# Altium PCB HardwareControllerPCB.PcbDoc (part 1 of 2) (continued)
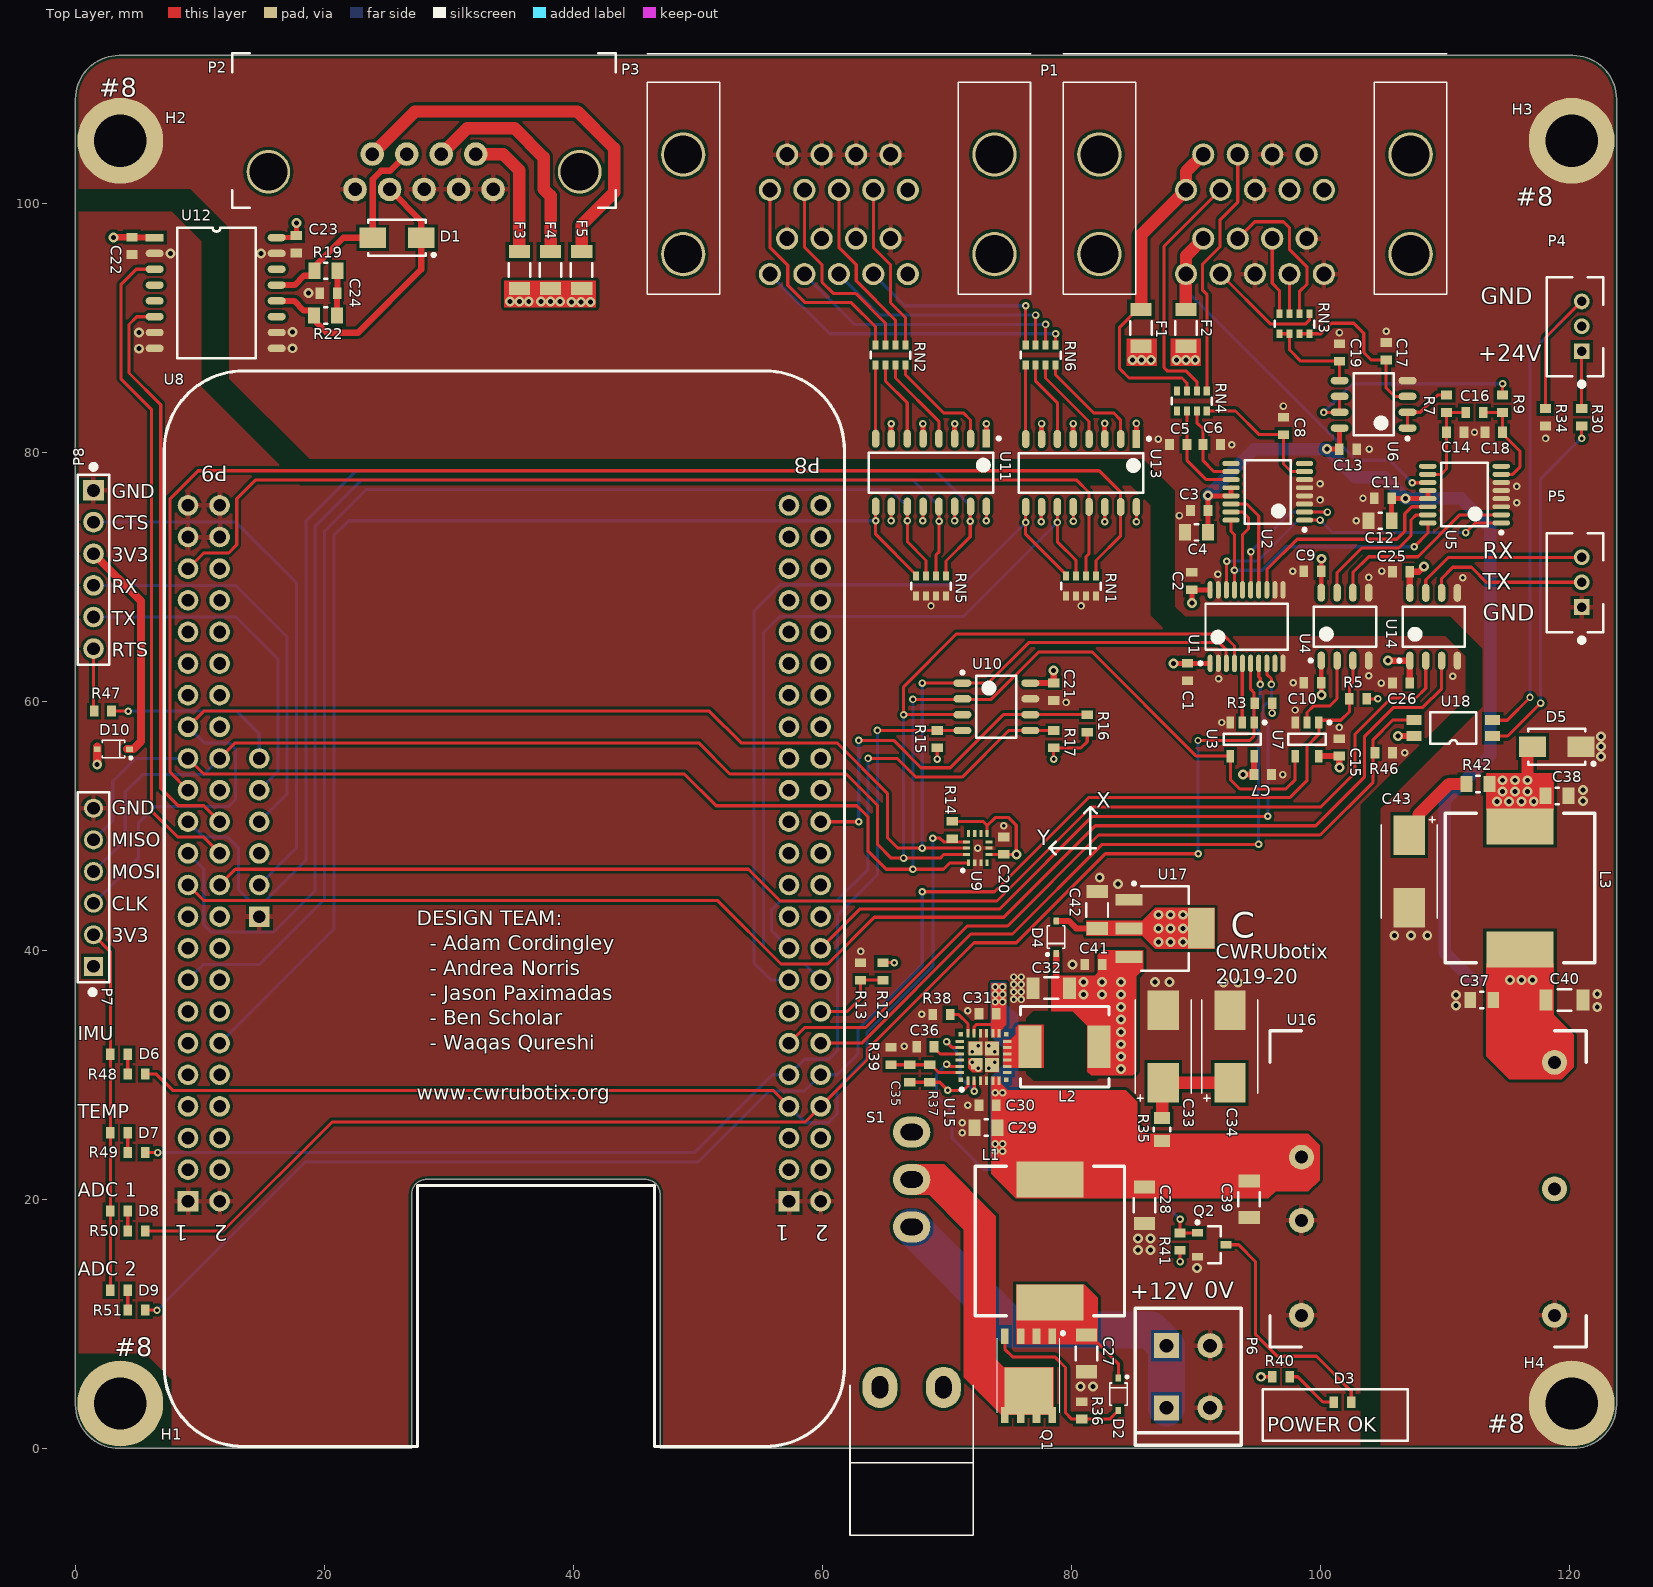
[diagram p0: Top Layer view]
## Components (designator, comment, footprint, x,y, rotation, side; value= is the part's Value field where it differs from the comment)
C1 "cap_single_np" chip_0603 89.3,62.35 r90 top
C2 "cap_single_np" chip_0603 89.639,69.642 r90 top
C3 "cap_single_np" chip_0603 90.242,75.312 r180 top
C4 "cap_single_np" chip_0805 90.017,73.562 r0 top
C5 "cap_single_np" chip_0603 88.55,80.6 r180 top
C6 "cap_single_np" chip_0603 91.25,80.6 r0 top
C7 "cap_single_np" chip_0603 95.336,54.108 r180 top
C8 "cap_single_np" chip_0603 97,82.1 r90 top
C9 "cap_single_np" chip_0603 99.343,70.437 r0 top
C10 "cap_single_np" chip_0603 99.343,61.486 r0 top
C11 "cap_single_np" chip_0603 104.992,76.286 r180 top
C12 "cap_single_np" chip_0805 104.767,74.487 r0 top
C13 "cap_single_np" chip_0603 102.192,80.237 r180 top
C14 "cap_single_np" chip_0603 110.792,81.586 r180 top
C15 "cap_single_np" chip_0603 101.486,56.289 r270 top
C16 "cap_single_np" chip_0603 112.343,83.186 r0 top
C17 "cap_single_np" chip_0603 105.25,88.1 r90 top
C18 "cap_single_np" chip_0603 113.892,81.586 r180 top
C19 "cap_single_np" chip_0603 101.5,88 r90 top
C20 "cap_single_np" chip_0603 74.55,48.4 r270 top
C21 "cap_single_np" chip_0603 78.55,60.75 r90 top
C22 "cap_single_np" chip_0603 4.543,96.562 r90 top
C23 "cap_single_np" chip_0603 17.737,96.688 r270 top
C24 "cap_single_np" chip_0603 20.312,92.763 r0 top
C25 "cap_single_np" chip_0603 106.45,70.4 r0 top
C26 "cap_single_np" chip_0603 106.45,61.45 r0 top
C27 "cap_single_np" chip_1206 81.2,7.625 r270 top
C28 "cap_single_np" chip_1206 85.85,19.525 r270 top
C29 "cap_single_np" chip_0805 73.125,25.75 r180 top
C30 "cap_single_np" chip_0603 73.25,27.55 r180 top
C31 "cap_single_np" chip_0603 73.25,34.9 r180 top
C32 "cap_single_np" chip_1206 78.35,36.95 r180 top
C33 "cap_single_p" chip_2917_AVX_TAJD 87.35,32.271 r90 top
C34 "cap_single_p" chip_2917_AVX_TAJD 92.7,32.271 r90 top
C35 "cap_single_np" chip_0603 67,30.1 r90 top
C36 "cap_single_np" chip_0603 68.25,32.25 r180 top
C37 "cap_single_np" chip_0805 112.925,36 r180 top
C38 "cap_single_np" chip_0805 118.975,52.4 r0 top
C39 "cap_single_np" chip_1206 94.25,20 r270 top
C40 "cap_single_np" chip_1206 119.575,36 r0 top
C41 "cap_single_np" chip_0603 81.75,38.85 r180 top
C42 "cap_single_np" chip_1206 82.05,43.225 r90 top
C43 "cap_single_p" chip_2917_AVX_TAJD 107.1,46.329 r270 top
D1 "diode_5" do-214ac 25.816,97.207 r180 top
D2 "diode_1" sod323_0 83.75,4.35 r270 top
D3 "diode_4" chip_0603 101.75,3.7 r180 top
D4 "diode_2" sod323_0 78.75,41.05 r90 top
D5 "diode_5" do-214ac 118.95,56.35 r180 top
D6 "diode_4" chip_0603 3.5,31.65 r180 top
D7 "diode_4" chip_0603 3.5,25.35 r180 top
D8 "diode_4" chip_0603 3.5,19.05 r180 top
D9 "diode_4" chip_0603 3.5,12.7 r180 top
D10 "diode_2" sod323_0 3.05,56.15 r180 top
F1 "PTC_0" chip_1206 85.569,89.975 r270 top
F2 "PTC_0" chip_1206 89.169,89.975 r270 top
F3 "PTC_0" chip_1206 35.65,94.625 r270 top
F4 "PTC_0" chip_1206 38.15,94.625 r270 top
F5 "PTC_0" chip_1206 40.65,94.625 r270 top
H1 "mounting_hole_0" #8-32_SOCKET_HEAD 3.6,3.6 r0 top
H2 "mounting_hole_0" #8-32_SOCKET_HEAD 3.6,105 r0 top
H3 "mounting_hole_0" #8-32_SOCKET_HEAD 120.15,105 r0 top
H4 "mounting_hole_0" #8-32_SOCKET_HEAD 120.15,3.6 r0 top
L1 "ind_1" WURTH_7447709101 78.25,16.65 r180 top
L2 "ind_1" TDK_SPM6530 79.425,32.25 r90 top
L3 "ind_1" WURTH_7447709101 116,45 r180 top
P1 "conn-9x1_x2" D_SUB_9x2_0 94.716,101.055 r180 top
P2 "conn-9x1_0" 182-009-213RYY1 27.992,102.512 r180 top
P3 "conn-9x1_x2" D_SUB_9x2_0 61.3,101.05 r180 top
P4 "conn-3x1_0" JST_PHR_3_0 120.95,88.1 r90 top
P5 "conn-3x1_0" JST_PHR_3_0 120.95,67.55 r90 top
P6 "conn-2x1_0" TERM_3.50MM_2x1_0 87.607,3.251 r0 top
P7 "conn-6x1_0" HDDR_6X1_0 12.88,18.38 r90 top
P8 "conn-6x1_0" SOCK_6x1_0 1.45,76.92 r0 top
Q1 "p-mosfet_3" PQFN-8-5x6 78.44,9 r270 top
Q2 "n-mosfet_1" sot-23-3 91.25,16.35 r0 top
R3 "res_single" chip_0603 95.392,59.837 r0 top
R5 "res_single" chip_0603 102.993,60.186 r0 top
R7 "res_single" chip_0603 110.093,83.886 r90 top
R9 "res_single" chip_0603 114.592,83.886 r90 top
R12 "res_single" chip_0603 64.85,38.3 r90 top
R13 "res_single" chip_0603 63.05,38.3 r90 top
R14 "res_single" chip_0603 70.4,49.65 r270 top
R15 "res_single" chip_0603 69.2,56.95 r90 top
R16 "res_single" chip_0603 81.25,58.2 r90 top
R17 "res_single" chip_0603 78.55,56.95 r90 top
R19 "res_single" chip_0805 20.112,94.563 r0 top
R22 "res_single" chip_0805 20.087,90.963 r180 top
R30 "res_single" chip_0603 120.95,82.8 r90 top
R34 "res_single" chip_0603 118.05,82.8 r90 top
R35 "res_single" chip_0805 87.25,25.6 r90 top
R36 "res_single" chip_0603 80.8,3.05 r90 top
R37 "res_single" chip_0603 68.6,30.1 r90 top
R38 "res_single" chip_0603 69.55,34.85 r180 top
R39 "res_single" chip_0603 65.5,31.5 r90 top
R40 "res_single" chip_0603 96.8,5.75 r180 top
R41 "res_single" chip_0603 88.7,16.6 r90 top
R42 "res_single" chip_0805 112.625,53.35 r180 top
R46 "res_single" chip_0603 105.05,55.85 r0 top
R47 "res_single" chip_0603 2.2,59.2 r0 top
R48 "res_single" chip_0603 4.9,30.05 r0 top
R49 "res_single" chip_0603 4.9,23.75 r0 top
R50 "res_single" chip_0603 4.9,17.45 r0 top
R51 "res_single" chip_0603 4.9,11.1 r0 top
RN1 "res_array_4" chip_1206_arr#1 80.75,69.2 r270 top
RN2 "res_array_4" chip_1206_arr#1 65.45,87.75 r270 top
RN3 "res_array_4" chip_1206_arr#2 99.084,91.1 r270 top
RN4 "res_array_4" chip_1206_arr#2 90.85,84.9 r270 top
RN5 "res_array_4" chip_1206_arr#1 68.7,69.2 r270 top
RN6 "res_array_4" chip_1206_arr#1 77.5,87.75 r270 top
S1 "SW-SPDT" M2012TXG41-DC 67.15,25.4 r0 top
U1 "ADuM3153" tssop-20_0 94.042,65.986 r90 top
U2 "ADS1120" tssop-16_0 95.742,76.811 r180 top
U3 "SN74AHCT1G125" sot-23-5 93.692,56.937 r270 top
U4 "ADuM3211" SO-8 101.942,65.986 r90 top
U5 "ADS1120" tssop-16_0 111.542,76.586 r180 top
U6 "TLV272DGK" so-8 104.242,83.836 r180 top
U7 "SN74AHCT1G125" sot-23-5 98.893,56.937 r270 top
U8 "BBB" BEAGLEBONE 61.745,0.155 r180 top
U9 "LSM6DS3" LGA14 72.45,48.2 r90 top
U10 "ADT7310" SO-8 73.95,59.55 r0 top
U11 "TLP291-4" SO-16 68.7,78.35 r270 top
U12 "ADM3050E" SOW-16 6.362,97.223 r0 top
U13 "TLP291-4" SO-16 80.755,78.325 r270 top
U14 "ADuM3211" SO-8 109.065,65.975 r90 top
U15 "LT8640S" LQFN-24_0 72.917,31.428 r90 top
U16 "CCG15" CCG15 108.61,20.84 r0 top
U17 "LM1117" sot-223-4 87.5,41.75 r0 top
U18 "opto_0" SO-4 113.8,57.2 r180 top

## Footprints (in the part's own frame and the unit in brackets; to place one, negate y for a bottom-side part, rotate by r counter-clockwise, add the part's x,y. Pads: shape width x height; smd on the part's side, far side on the other; paste and mask are expansions set on the pad)
182-009-213RYY1 [mm] "NorComp 9-pin D-Sub connector"
  round 3.5 hole 3.05: 0(-12.5,0) 0(12.5,0)
  round 1.89 hole 1.09: 1(5.54,1.42) 2(2.77,1.42) 3(0,1.42) 4(-2.77,1.42) 5(-5.54,1.42) 6(4.155,-1.42) 7(1.385,-1.42) 8(-1.385,-1.42) 9(-4.155,-1.42)
  silkscreen extent -15.4,-9.5 15.4,2.9, body extent -15.41,-15.62 15.41,2.9, height 12.55
#8-32_SOCKET_HEAD [mm] "Mounting hole for #8-32 socket head cap screw"
  round 6.9 hole 4.2: 0(0,0)
BEAGLEBONE [mil] "Pin-header footprint for Beaglebone single board computers"
  rect 65x65 hole 40: 1(175,-775) 47(2075,-775) J1_1(1850,-1675)
  round 65 hole 40: 2(75,-775) 3(175,-875) 4(75,-875) 5(175,-975) 6(75,-975) 7(175,-1075) 8(75,-1075) 9(175,-1175) 10(75,-1175) 11(175,-1275) 12(75,-1275) 13(175,-1375) 14(75,-1375) 15(175,-1475) 16(75,-1475) 17(175,-1575) 18(75,-1575) 19(175,-1675) 20(75,-1675) 21(175,-1775) 22(75,-1775) 23(175,-1875) 24(75,-1875) 25(175,-1975) 26(75,-1975) 27(175,-2075) 28(75,-2075) 29(175,-2175) 30(75,-2175) 31(175,-2275) 32(75,-2275) 33(175,-2375) 34(75,-2375) 35(175,-2475) 36(75,-2475) 37(175,-2575) 38(75,-2575) 39(175,-2675) 40(75,-2675) 41(175,-2775) 42(75,-2775) 43(175,-2875) 44(75,-2875) 45(175,-2975) 46(75,-2975) 48(1975,-775) 49(2075,-875) 50(1975,-875) 51(2075,-975) 52(1975,-975) 53(2075,-1075) 54(1975,-1075) 55(2075,-1175) 56(1975,-1175) 57(2075,-1275) 58(1975,-1275) 59(2075,-1375) 60(1975,-1375) 61(2075,-1475) 62(1975,-1475) 63(2075,-1575) 64(1975,-1575) 65(2075,-1675) 66(1975,-1675) 67(2075,-1775) 68(1975,-1775) 69(2075,-1875) 70(1975,-1875) 71(2075,-1975) 72(1975,-1975) 73(2075,-2075) 74(1975,-2075) 75(2075,-2175) 76(1975,-2175) 77(2075,-2275) 78(1975,-2275) 79(2075,-2375) 80(1975,-2375) 81(2075,-2475) 82(1975,-2475) 83(2075,-2575) 84(1975,-2575) 85(2075,-2675) 86(1975,-2675) 87(2075,-2775) 88(1975,-2775) 89(2075,-2875) 90(1975,-2875) 91(2075,-2975) 92(1975,-2975) J1_2(1850,-1775) J1_3(1850,-1875) J1_4(1850,-1975) J1_5(1850,-2075) J1_6(1850,-2175)
  silkscreen extent 0,-3400 2150,0, body extent 26,-3025 2125,-725, height 336
CCG15 [mm] "Isolated DC/DC converter, TDK-Lambda CCG15 series"
  round 2 hole 1.05: 1(-10.16,2.54) 2(-10.16,-2.54) 3(-10.16,-10.16) 4(10.16,10.16) 5(10.16,0) 6(10.16,-10.16)
  silkscreen extent -12.7,-12.7 12.7,12.7, body extent -12.7,-12.7 12.7,12.7, height 9.9
chip_0603 [mm]
  rect 0.7x0.9 smd: 1(-0.7,0) 2(0.7,0)
  body extent -0.85,-0.45 0.85,0.45, height 0.6
chip_0805 [mm]
  rect 0.95x1.3 smd: 1(-0.925,0) 2(0.925,0)
  silkscreen extent -0.13,-0.66 0.13,0.66, body extent -1.05,-0.65 1.05,0.65, height 0.6
chip_1206 [mm]
  rect 1.05x1.7 smd: 1(-1.475,0) 2(1.475,0)
  silkscreen extent -0.55,-0.86 0.55,0.86, body extent -1.65,-0.85 1.65,0.85, height 0.6
chip_1206_arr#1 [mm] "4 element array"
  rect 0.7x0.5 smd mask+0.062: 1(-0.85,1.2) 2(-0.85,0.4) 3(-0.85,-0.4) 4(-0.85,-1.2) 5(0.75,-1.2) 6(0.75,-0.4) 7(0.75,0.4) 8(0.75,1.2)
  silkscreen extent -0.3,-1.6 0.25,1.6, body extent -0.85,-1.6 0.75,1.6, height 0.53
chip_1206_arr#2 [mm] "4 element array"
  rect 0.7x0.5 smd mask+0.062: 1(0,0) 2(0,-0.8) 3(0,-1.6) 4(0,-2.4) 5(1.6,-2.4) 6(1.6,-1.6) 7(1.6,-0.8) 8(1.6,0)
  silkscreen extent 0.55,-2.8 1.1,0.4, body extent 0,-2.8 1.6,0.4, height 0.53
chip_2917_AVX_TAJD [mm] "2917 footprint for AVX TAJD"
  rect 3.175x2.5 smd: 1(-2.921,0) 2(2.921,0)
  silkscreen extent -4.4,-2.25 3.75,2.25, body extent -3.75,-2.25 3.75,2.25, height 3.15
D_SUB_9x2_0 [mil] "NorComp Dual 9-pin D-Sub"
  round 140 hole 120: 0(-492,-112) 0(-492,203) 0(492,-112) 0(492,203)
  round 70 hole 47: 1(218,0) 2(109,0) 3(0,0) 4(-109,0) 5(-218,0) 6(163.5,-112) 7(54.5,-112) 8(-54.5,-112) 9(-163.5,-112) 10(218,266) 11(109,266) 12(0,266) 13(-109,266) 14(-218,266) 15(163.5,154) 16(54.5,154) 17(-54.5,154) 18(-163.5,154)
  silkscreen extent -606,-430 606,330, body extent -606,-671 607,330, height 1251
do-214ac [mm] "DO-214AC, SMA"
  rect 2.15x1.65 smd: 1(-1.95,0) 2(1.95,0)
  silkscreen extent -3.08,-1.45 2.3,1.5, body extent -2.3,-1.46 2.3,1.46, height 2.3
HDDR_6X1_0 [mil] "0.1\" Header 6x1"
  rect 60x60 hole 40: 1(800,450)
  round 60 hole 40: 2(900,450) 3(1000,450) 4(1100,450) 5(1200,450) 6(1300,450)
  silkscreen extent 711,400 1350,500, body extent 750,400 1350,500, height 336
JST_PHR_3_0 [mil]
  rect 50x50 hole 30: 1(0,0)
  round 50 hole 30: 2(78.74,0) 3(157.48,0)
  silkscreen extent -112,-69 234,110, body extent -77,-69 234,110, height 236
LGA14 [mm]
  rect 0.55x0.25 smd mask+0.065: 1(-1.18,0.739) 2(-1.18,0.239) 3(-1.18,-0.261) 4(-1.18,-0.761) 8(1.18,-0.761) 9(1.18,-0.261) 10(1.18,0.239) 11(1.18,0.739)
  rect 0.25x0.55 smd mask+0.065: 5(-0.5,-0.911) 6(0,-0.911) 7(0.5,-0.911) 12(0.5,0.889) 13(0,0.889) 14(-0.5,0.889)
  silkscreen extent -1.9,1.1 -1.7,1.3, body extent -1.5,-1.2 1.5,1.2, height 0.86
LQFN-24_0 [mm]
  rect 0.7x0.25 smd mask+0.05: 1(-1.9,1.25) 2(-1.9,0.75) 3(-1.9,0.25) 4(-1.9,-0.25) 5(-1.9,-0.75) 6(-1.9,-1.25) 13(1.9,-1.25) 14(1.9,-0.75) 15(1.9,-0.25) 16(1.9,0.25) 17(1.9,0.75) 18(1.9,1.25)
  rect 0.25x0.7 smd mask+0.05: 7(-1.25,-1.9) 8(-0.75,-1.9) 9(-0.25,-1.9) 10(0.25,-1.9) 11(0.75,-1.9) 12(1.25,-1.9) 19(1.25,1.9) 20(0.75,1.9) 21(0.25,1.9) 22(-0.25,1.9) 23(-0.75,1.9) 24(-1.25,1.9)
  rect 0.9x0.9 smd mask+0: 25(-0.55,0.55)
  rect 1.125x1.125 smd: 26(0.663,0.663) 27(-0.663,-0.663) 28(0.663,-0.663)
  rect 0.375x0.375 smd mask+0.05: 29(-1.825,-1.825) 29(-1.825,1.825) 29(1.825,-1.825) 29(1.825,1.825)
  Top Layer region: -1.225,0.1 -0.1,0.1 -0.1,1.225 -0.9,1.225 -1.225,0.9
  silkscreen extent -2.75,1.62 -2.5,1.87, body extent -2.01,-2.01 2.01,2.01, height 0.94
M2012TXG41-DC [mm] "SPDT, right angle, thru-hole"
  oval 2.8x3.3 hole 1.3 slot 1.8 at 90 deg: 0(-2.55,-20.5) 0(2.55,-20.5)
  oval 3x2.5 hole 1.3 slot 1.8 at 0 deg: 1(0,-7.62) 2(0,-3.81) 3(0,0)
  silkscreen extent -4.95,-32.38 4.95,-20.32, body extent -4.64,-35.32 4.64,0.35, height 17.35
PQFN-8-5x6 [mm]
  rect 1.27x0.61 smd: 1(0,0) 2(0,-1.27) 3(0,-2.54) 4(0,-3.81) 5(6.33,-1.27) 5(6.33,0) 5(6.33,-3.81) 5(6.33,-2.54)
  rect 3.75x3.91 smd: 5(4.4,-1.9)
  silkscreen extent -0.37,-4.4 6.15,0.98, body extent 0.15,-4.4 6.15,0.6, height 1.1
SO-4 [mm] "4-Pin SOIC"
  rect 1.2x0.8 smd: 1(0,0) 2(0,-1.27) 3(6.3,-1.27) 4(6.3,0)
  silkscreen extent 1.3,-1.91 5,0.64
SO-8 [mm] "SO-8 Package"
  oval 1.45x0.6 smd: 1(-2.725,1.905) 2(-2.725,0.635) 3(-2.725,-0.635) 4(-2.725,-1.905) 5(2.725,-1.905) 6(2.725,-0.635) 7(2.725,0.635) 8(2.725,1.905)
  silkscreen extent -2.85,-2.5 1.6,2.88, body extent -3.08,-2.5 3.08,2.5, height 2
so-8 [mm] "SO-8 Package"
  oval 1.45x0.6 smd: 1(-2.725,1.905) 2(-2.725,0.635) 3(-2.725,-0.635) 4(-2.725,-1.905) 5(2.725,-1.905) 6(2.725,-0.635) 7(2.725,0.635) 8(2.725,1.905)
  silkscreen extent -2.85,-2.5 1.6,2.88, body extent -3.08,-2.5 3.08,2.5, height 2
SO-16 [mm]
  rect 1.45x0.6 smd: 1(-2.725,4.445)
  oval 1.45x0.6 smd: 2(-2.725,3.175) 3(-2.725,1.905) 4(-2.725,0.635) 5(-2.725,-0.635) 6(-2.725,-1.905) 7(-2.725,-3.175) 8(-2.725,-4.445) 9(2.725,-4.445) 10(2.725,-3.175) 11(2.725,-1.905) 12(2.725,-0.635) 13(2.725,0.635) 14(2.725,1.905) 15(2.725,3.175) 16(2.725,4.445)
  silkscreen extent -2.87,-5 1.6,5.57, body extent -3.11,-5.04 3.06,5.04, height 2
SOCK_6x1_0 [mil]
  rect 65x65 hole 40: 1(0,0)
  round 65 hole 40: 2(0,-100) 3(0,-200) 4(0,-300) 5(0,-400) 6(0,-500)
  silkscreen extent -49,-551 49,83, body extent -49,-551 49,49, height 329
sod323_0 [mm] "SOD-323, 1.25mm x 1.7mm"
  rect 0.55x0.45 smd: 1(-1.3,0) 2(1.3,0)
  silkscreen extent -1.5,-0.7 0.9,0.8, body extent -0.9,-0.67 0.9,0.67, height 1
sot-23-3 [mm] "SOT-23-3 package"
  rect 0.9x0.6 smd: 1(-1.15,0.95) 2(-1.15,-0.95) 3(1.15,0)
  silkscreen extent -1.27,-1.5 0.7,1.92, body extent -1.42,-1.5 1.42,1.5, height 1.2
sot-23-5 [mm] "SOT23, 5-Leads, Body 2.90x2.80mm, Pitch 0.95mm, IPC Medium Density"
  rect 1x0.6 smd: 1(-1.35,0.95) 2(-1.35,0) 3(-1.35,-0.95) 4(1.35,-0.95) 5(1.35,0.95)
  silkscreen extent -1.47,-1.5 0.45,1.93, body extent -1.42,-1.5 1.42,1.5, height 1.2
sot-223-4 [mm]
  rect 2.15x0.95 smd: 1(-2.9,2.3) 2(-2.9,0) 3(-2.9,-2.3)
  rect 2.15x3.25 smd: 4(2.9,0)
  silkscreen extent -2.62,-3.4 1.9,3.72, body extent -1.9,-3.4 1.9,3.4, height 1.1
SOW-16 [mm] "Small Outline Wide Body"
  rect 1.45x0.6 smd: 1(0,0)
  oval 1.45x0.6 smd: 2(0,-1.27) 3(0,-2.54) 4(0,-3.81) 5(0,-5.08) 6(0,-6.35) 7(0,-7.62) 8(0,-8.89) 9(9.8,-8.89) 10(9.8,-7.62) 11(9.8,-6.35) 12(9.8,-5.08) 13(9.8,-3.81) 14(9.8,-2.54) 15(9.8,-1.27) 16(9.8,0)
  silkscreen extent 1.8,-9.7 8.13,0.8, body extent -0.2,-9.48 9.96,0.6, height 2
TDK_SPM6530 [mm] "TDK SPM6530 type footprint"
  rect 3.4x1.85 smd: 1(0,2.775) 2(0,-2.775)
  silkscreen extent -3.23,-3.56 3.23,3.54
TERM_3.50MM_2x1_0 [mm] "Terminal Block, 3.5mm pitch"
  rect 2x2 hole 1.1: 1(0,0) 1(0,5)
  round 2 hole 1.1: 2(3.5,0) 2(3.5,5)
  silkscreen extent -2.5,-3 6,8, body extent -2.5,-3 6,8, height 8.98
tssop-16_0 [mm] "TSSOP-16 No Pad"
  oval 1.4x0.4 smd mask+0.05: 1(-2.95,2.275) 2(-2.95,1.625) 3(-2.95,0.975) 4(-2.95,0.325) 5(-2.95,-0.325) 6(-2.95,-0.975) 7(-2.95,-1.625) 8(-2.95,-2.275) 9(2.95,-2.275) 10(2.95,-1.625) 11(2.95,-0.975) 12(2.95,-0.325) 13(2.95,0.325) 14(2.95,0.975) 15(2.95,1.625) 16(2.95,2.275)
  silkscreen extent -3.08,-2.55 1.85,3.17, body extent -3.21,-2.55 3.22,2.55, height 1.11
tssop-20_0 [mm] "TSOP, 20-Leads, Body 6.50x4.40mm, Pitch 0.65mm, IPC Medium Density"
  oval 1.4x0.4 smd mask+0.05: 1(-2.95,2.925) 2(-2.95,2.275) 3(-2.95,1.625) 4(-2.95,0.975) 5(-2.95,0.325) 6(-2.95,-0.325) 7(-2.95,-0.975) 8(-2.95,-1.625) 9(-2.95,-2.275) 10(-2.95,-2.925) 11(2.95,-2.925) 12(2.95,-2.275) 13(2.95,-1.625) 14(2.95,-0.975) 15(2.95,-0.325) 16(2.95,0.325) 17(2.95,0.975) 18(2.95,1.625) 19(2.95,2.275) 20(2.95,2.925)
  silkscreen extent -3.07,-3.3 1.85,3.82, body extent -3.21,-3.2 3.22,3.2, height 1.11
WURTH_7447709101 [mm] "Wurth 7447709101 inductor"
  rect 5.4x2.9 smd: 1(0,4.95) 2(0,-4.95)
  silkscreen extent -6,-6 6,6, body extent -6,-6 6,6, height 9.46

## Part data
C1 C2 C3 C7 C9 C10 C11 C13 C15 C20 C21 C22 C23 C25 C26 C30 C31 C41: library part CAP-00542, "CAP, 0.1uF, ±10%, 16V, X7R, 0603", Capacitance=0.1uF, Manufacturer=Murata, Tolerance=±10%, Voltage Rating=16V, Part Number=CAP-00542, Type=X7R
C4 C12: library part CAP-00107, "CAP, 1uF, 10%, 16V, X7R, 0805", Capacitance=1uF, Manufacturer=Murata, Manufacturer PN=GRM21BR71C105KA01L, Tolerance=10%, Voltage Rating=16V, Part Number=CAP-00107, Type=X7R
C5 C6 C8 C14 C16 C17 C18 C19 C24 C36: library part CAP-00543, "CAP, 10000pF, ±10%, 16V, X7R, 0603", Capacitance=10000pF, Tolerance=±10%, Voltage Rating=16V, Part Number=CAP-00543, Type=X7R
C27 C28 C39 C40 C42: library part CAP-00539, "CAP, 10uF, ±10%, 25V, X7R, 1206", Capacitance=10uF, Manufacturer=Samsung, Manufacturer PN=CL31B106KAHNNNE, Tolerance=±10%, Voltage Rating=25V, Part Number=CAP-00539, Type=X7R
C29 C37 C38: library part CAP-00128, "CAP, 4.7uF, 10%, 25V, X7R, 0805", Capacitance=4.7uF, Manufacturer=Murata, Manufacturer PN=GRM21BR71E475KA73L, Tolerance=10%, Voltage Rating=25V, Part Number=CAP-00128, Type=X7R
C32: library part CAP-00551, "CAP, 100uF, ±20%, 6.3V, X5R, 1206", Capacitance=100uF, Manufacturer="Samsung Electro-Mechanics", Manufacturer PN=CL31A107MQHNNNE, Tolerance=±20%, Voltage Rating=6.3V, Cost=$0.64, Part Number=CAP-00551, Type=X5R
C33 C34 C43: library part CAP-00550, "CAP, 100uF, ±10%, 16V, Tantalum, 2917", Capacitance=100uF, Manufacturer=AVX, Manufacturer PN=TAJD107K016RNJ, Tolerance=±10%, Voltage Rating=16V, Cost=$0.94, Part Number=CAP-00550, Type=Tantalum
C35: library part CAP-00471, "CAP, 10pF, ±2%, 50V, C0G, 0603", Capacitance=10pF, Manufacturer=Murata, Manufacturer PN=GRM1885C1H100GA01D, Tolerance=±2%, Voltage Rating=50V, Part Number=CAP-00471, Type=C0G
D1 D5: library part DIO-00036, "TVS, 5V, 400W", Manufacturer=ST, Manufacturer PN=SMAJ5.0A-TR, Power Rating=400W, Reverse Breakdown Voltage=5V, Part Number=DIO-00036, Type=TVS
D2: library part DIO-00019, "Dio Zen, 10V, 2%, 200mW, SOD-323", Forward Voltage=900mV, Manufacturer="ON Semi", Manufacturer PN=MM3Z10VST1G, Power Rating=200mW, Reverse Breakdown Voltage=10V, Tolerance=2%, Part Number=DIO-00019, Type=Zener
D3 D6 D7 D8 D9: library part DIO-00049, "LED, Blue, 0603, Low current, HELI2 Series", Current Rating=30mA, Forward Voltage=2.65V, Manufacturer=Kingbright, Manufacturer PN=APT1608LVBC/D, Power Rating=120mW, Reverse Breakdown Voltage=5V, Cost=0.58, Part Number=DIO-00049, Type=LED
D4 D10: library part DIO-00000, "Dio Shtky, 500mA, 0.62V, 30V, SOD-323", Current Rating=500mA, Forward Voltage=620mV, Manufacturer="ON Semi", Manufacturer PN=NSR0530HT1G, Reverse Breakdown Voltage=30V, Part Number=DIO-00000, Type=Schottky
F1 F2 F3 F4 F5: library part MISC-00008, "PTC Resettable fuse, 6V, 500mA, 1206", Manufacturer=Eaton, Manufacturer PN=PTS12066V050, Cost=0.3, Part Number=MISC-00008
H1 H2 H3 H4: library part MISC-00027, "#8-32 Mounting Hole for Socket Head Cap Screw", Part Number=MISC-00027
L1 L3: library part MAG-00102, "Ind, 100uH, 20%, 2.5A, 0.11 Ohm", Current Rating=2.5A, Inductance=100uH, Manufacturer=Wurth, Manufacturer PN=7447709101, Tolerance=20%, Cost=2.41, DCR=110mOhm, Part Number=MAG-00102, Weight=7
L2: library part MAG-00093, "Ind, 3.3uH, 20%, 6.8A, EP5", Current Rating=6.8A, Inductance=3.3uH, Manufacturer=TDK, Manufacturer PN=SPM6530T-3R3M, Tolerance=20%, Cost=1.41, DCR="29.7 mOhm", Part Number=MAG-00093, Weight=0.7
P1 P3: library part CONN-00025, "D-Sub, Dual 9-pin", Manufacturer=NorComp, Manufacturer PN=178-009-513R571, Cost=7.32, Levels=2, Part Number=CONN-00025, Positions per level=9, Type=Thru-hole, Weight=22.69
P2: library part CONN-00035, "D-Sub, 9-pin", Manufacturer=NorComp, Manufacturer PN=182-009-213R561, Cost=2.27, Levels=1, Part Number=CONN-00035, Positions per level=9, Type=Thru-hole, Weight=8.89
P4 P5: library part CONN-00047, "JST PH 3x1, THT, 2.00mm Pitch", Manufacturer=JST, Manufacturer PN=B3B-PH-K, Cost=0.19, Levels=1, Part Number=CONN-00047, Positions per level=3, Type=Header
P6: library part CONN-00023, "Term Blk, 2 Pos, 16A, 3.5mm Pitch", Current=16, Manufacturer="Phoenix Contact", Manufacturer PN=1861933, Cost=0.79, Levels=1, Part Number=CONN-00023, Positions per level=2, Type="Terminal Block"
P7: library part CONN-00008, "Header 6x1, 0.1\"", Levels=1, Part Number=CONN-00008, Positions per level=6
P8: library part CONN-00046, "Female Socket, 6x1, 0.1\"", Manufacturer=Samtec, Manufacturer PN=SSW-106-01-F-S, Cost=0.8, Levels=1, Part Number=CONN-00046, Positions per level=6, Type=Socket
Q1: library part XSTR-00026, "XSTR PMOS, 21.1A, 30V, Vgs 3V, PQFN8 5X6", Manufacturer="ON Semi", Manufacturer PN=FDMS6681Z, Max Current=21.1A, Max Power=73W, Max Voltage=30V, Cost=1.82, Part Number=XSTR-00026, Type=PFET, Vgs/Vce=3V
Q2: library part XSTR-00017, "XSTR NMOS, 220mA, 50V, Vgs 1.3V, SOT-23-3", Manufacturer="ON Semi", Manufacturer PN=BSS138, Max Current=220mA, Max Power=360mW, Max Voltage=50V, Cost=0.31, Part Number=XSTR-00017, Type=NFET, Vgs/Vce=1.3V
R3 R5 R7 R9 R13 R14 R15 R16 R17 R41 R46: library part RES-00306, "RES SMD 10K OHM 1% 1/4W 0603", Manufacturer=Panasonic, Manufacturer PN=ERJ-PA3F1002V, Power Rating=0.25W, Resistance=10k, Tolerance=1%, Cost=0.144, Part Number=RES-00306
R12 R30: library part RES-00470, "RES SMD 4.7K OHM 1% 1/4W 0603", Manufacturer=Panasonic, Manufacturer PN=ERJ-PA3F4701V, Power Rating=0.25W, Resistance=4.7k, Tolerance=1%, Part Number=RES-00470
R19 R22: library part RES-00161, "RES SMD 60.4 OHM 1% 1/8W 0805", Manufacturer="Rohm Semiconductor", Manufacturer PN=KTR10EZPF60R4, Power Rating=0.125W, Resistance=60.4, Tolerance=1%, Part Number=RES-00161
R34 R36 R40: library part RES-00236, "RES SMD 470 OHM 1% 1/4W 0603", Manufacturer=Panasonic, Manufacturer PN=ERJ-PA3F4700V, Power Rating=0.25W, Resistance=470, Tolerance=1%, Part Number=RES-00236
R35: library part RES-00600, "RES SMD 1.5 OHM 1% 1/4W 0805", Power Rating=0.25W, Resistance=1.5, Tolerance=1%, Part Number=RES-00600
R37: library part RES-00362, "RES SMD 1M OHM 1% 1/4W 0603", Manufacturer=Panasonic, Manufacturer PN=ERJ-PA3F1004V, Power Rating=0.25W, Resistance=1M, Tolerance=1%, Part Number=RES-00362
R38: library part RES-00356, "RES SMD 18K OHM 1% 1/4W 0603", Manufacturer=Panasonic, Manufacturer PN=ERJ-PA3F1802V, Power Rating=0.25W, Resistance=18k, Tolerance=1%, Part Number=RES-00356
R39: library part RES-00397, "RES SMD 240K OHM 1% 1/4W 0603", Manufacturer=Panasonic, Manufacturer PN=ERJ-PA3F2403V, Power Rating=0.25W, Resistance=240k, Tolerance=1%, Part Number=RES-00397
R42: library part RES-00601, "RES SMD 2.2 OHM 1% 1/4W 0805", Power Rating=0.25W, Resistance=2.2, Tolerance=1%, Part Number=RES-00601
R47: library part RES-00360, "RES SMD 1K OHM 1% 1/4W 0603", Manufacturer=Panasonic, Manufacturer PN=ERJ-PA3F1001V, Power Rating=0.25W, Resistance=1k, Tolerance=1%, Part Number=RES-00360
R48 R49 R50 R51: library part RES-00221, "RES SMD 330 OHM 1% 1/4W 0603", Manufacturer=Panasonic, Manufacturer PN=ERJ-PA3F3300V, Power Rating=0.25W, Resistance=330, Tolerance=1%, Part Number=RES-00221
RN1 RN5: library part RES-00697, "RES ARRAY 4 RES 10k OHM 5% 1/16W 1206", Manufacturer="CTS Resistor Products", Manufacturer PN=742C083103JP, Power Rating=1/16W, Resistance=10k, Tolerance=5%, Cost=0.27, Part Number=RES-00697
RN2 RN6: library part RES-00698, "RES ARRAY 4 RES 470 OHM 5% 1/16W 1206", Manufacturer=Panasonic, Manufacturer PN=EXB-38V471JV, Power Rating=1/16W, Resistance=470, Tolerance=0.05, Cost=0.1, Part Number=RES-00698
RN3 RN4: library part RES-00697, "RES ARRAY 4 RES 10k OHM 5% 1/16W 1206", Manufacturer="CTS Resistor Products", Manufacturer PN=742C083103JP, Power Rating=1/16W, Resistance=10k, Tolerance=0.05, Cost=0.27, Part Number=RES-00697
S1: library part MISC-00009, "Switch, SPDT, Rocker, Thru-hole, Right-angle", Current Rating=*A, Manufacturer="NKK Switches", Manufacturer PN=M2012TXW41-DA, ComponentLink1Description="Manufacturer Link", ComponentLink1URL=http://www.apem.com, Cost=5.1, Part Number=MISC-00009
U1: library part IFACE-00014, "Digital Isolator, SPI-bus optomized, ADuM3153", Manufacturer="Analog Devices", Manufacturer PN=ADuM3153BRSZ, Cost=6.75, Part Number=IFACE-00014
U2 U5: library part ANLG-00016, "ADC, 16-bit, 4-channel, SPI, 2k SPS, TSSOP-16", Manufacturer=TI, Cost=6.8, Datasheet Link=http://www.ti.com/lit/ds/symlink/ads1120.pdf, Manufacturer PN=ADS1120, Part Number=ANLG-00016
U3 U7: library part LOGIC-00027, "Tri-State Buffer, Single, 2-5.5V, SOT-23-5, SN74AHC1G125", Manufacturer=TI, Manufacturer PN=SN74AHC1G125DBVR, Cost=$0.33, Part Number=LOGIC-00027
U4 U14: library part IFACE-00015, "Digital Isolator, Dual-Channel, ADuM3211", Manufacturer="Analog Devices", Manufacturer PN=ADuM3211ARZ, Cost=2.87, Part Number=IFACE-00015
U6: library part ANLG-00030, "Op Amp, Dual, Rail-Rail, 3MHZ, SOIC-8", Manufacturer=TI, Manufacturer PN=TLV272CDR, Cost=0.9, Part Number=ANLG-00030
U8: library part MISC-00020, "Beaglebone Black", Manufacturer PN=BEAGLEBONE, Part Number=MISC-00020
U9: library part MISC-00012, "Accel & Gyro, 3-Axis, SPI/I2C", Manufacturer=STM, Manufacturer PN=LSM6DS3TR, Cost=3, Part Number=MISC-00012
U10: library part ANLG-00048, "IC, 0.5°C Accurate 16-bit Digital SPI Temperature Sensor, SOIC-8, ADT7310", Manufacturer="Analog Devices", Manufacturer PN=ADT7310TRZ, Cost=3.93, Part Number=ANLG-00048
U11 U13: library part IFACE-00012, "Opto-Coupler Array, Photo-Transistor Output, TLP291-4", Manufacturer=Toshiba, Manufacturer PN=TLP291-4, Part Number=IFACE-00012
U12: library part IFACE-00009, "Isolated CANbus Transceiver, Single channel, ADM3050E", Manufacturer="Analog Devices", Manufacturer PN=ADM3050EBRWZ, Cost=9.62, Part Number=IFACE-00009
U15: library part PWREG-00013, "SW Reg, Silent Switcher 2, Low EMI", Frequency=200kHz-3MHz, Manufacturer="Analog Devices", Manufacturer PN=LT8640SEV#PBF, Max Current=6A, Voltage Range In="3 - 42V", Voltage Range Out="0.97 - 42V", Cost=11.15, Fixed/Adj=Adj, Part Number=PWREG-00013, Reg Type="SW Buck"
U16: library part PWREG-00021, "Module, Isolated, 5V, 3A", Manufacturer=TDK-Lambda, Manufacturer PN=CCG152405S, Max Current=3A, Voltage Range In="9 - 36V", Voltage Range Out=5V, Fixed/Adj=Fixed, Part Number=PWREG-00021, Weight=20
U17: library part PWREG-00018, "REG, Linear, Fixed 3V3, 800mA, SOT-223", Manufacturer=TI, Manufacturer PN=LM1117MPX-3.3/NOPB, Max Current=800mA, Voltage Range In="4.5 - 15V", Voltage Range Out=3.3V, Cost=1.14, Fixed/Adj=Fixed, Part Number=PWREG-00018, Reg Type=Linear
U18: library part ANLG-00049, "IC, Opto-Coupler, 3750 Vrms, Wide SOIC-4, TLP291(SE", Manufacturer=Toshiba, Manufacturer PN=TLP291(SE, Cost=0.45, Part Number=ANLG-00049

## Via types
v1: diameter 0.6, hole 0.3, Top Layer to Bottom Layer, tented both sides, 133 vias
v2: diameter 0.8, hole 0.4, Top Layer to Bottom Layer, tented both sides, 100 vias
v3: diameter 0.61, hole 0.305, Top Layer to Bottom Layer, 8 vias

## Nets (pads, with @x,y where several pads share a name; then routed paths per layer and width w, separated by ;. In a path a pad name is that pad's centre, name@x,y a point inside that pad or via, vN(x,y) a via of type N, cw(c..) or ccw(c..) an arc to the next point about the centre after c; other vN are vias at no path point)
3V3: C1.2 C7.2 C10.2 C15.2 C20.2 C21.2 C22.2 C26.2 C42.1 D4.2 D6.2 D7.2 D8.2 D9.2 D10.2 P7.2 R3.2 R5.2 R14.1 R15.1 R16.1 R17.1 U1.1 U3.5 U4.1 U7.5 U9.5 U9.8 U10.8 U11.10 U11.12 U11.14 U11.16 U12.1 U13.10 U13.12 U13.14 U13.16 U14.1 U17.2 U17.4 U18.4 | length 83.3
  Top Layer w0.25: P7.2@1.45,41.24 2.8,39.89 D6.2@2.8,31.65 D7.2@2.8,25.35 D8.2@2.8,19.05 D9.2@2.8,12.7 ; v1(65.495,74.485) U11.10@65.495,75.615 ; v1(68.045,74.485) 68.045,75.625 U11.12@68.055,75.635 ; v1(69.2,55.35) R15.1@69.2,56.25 ; R14.1@70.4,50.35 72.872,50.35 73.211,50.011 ; v1(70.595,74.485) U11.14@70.595,75.635 ; U11.16@73.135,75.635 U11.16@73.145,75.625 v1(73.145,74.485) ; U9.8@73.211,49.38 73.211,50.011 ; U9.5@73.361,47.7 C20.2@74.55,47.7 v2(75.55,47.7) 75.55,50.05 74.95,50.65 73.85,50.65 73.211,50.011 ; v1(77.55,74.4) 77.55,75.57 U13.10@77.58,75.6 ; v1(78.55,55.35) R17.1@78.55,56.25 80.75,56.25 81.25,56.75 R16.1@81.25,57.5 ; v1(80.139,74.439) U13.12@80.139,75.581 ; v1(82.65,74.4) 82.65,75.59 U13.14@82.66,75.6 ; v1(85.2,74.4) U13.16@85.2,75.6 ; v1(96.089,59.042) 96.091,59.043 96.091,59.835 R3.2@96.092,59.837 ; R5.2@103.693,60.186 v1(104.592,60.186)
  Top Layer w0.4: v2(88.189,63.042) 91.112,63.042 U1.1@91.117,63.037 ; U4.1@100.037,63.261 100.037,60.492 v2(100.042,60.487)
  Top Layer w0.5: v2(3.05,97.25) 4.431,97.25 4.481,97.2 C22.2@4.543,97.262 ; C22.2@4.55,97.35 4.65,97.35 4.777,97.223 U12.1@6.362,97.223 ; U10.8@76.675,61.455 78.545,61.455 C21.2@78.55,61.45 v2(78.55,62.45) ; D4.2@78.75,42.35 79.75,42.35 80.35,41.75 C42.1@82.05,41.75 ; v2(93.737,54.108) C7.2@94.637,54.108 94.637,55.581 U3.5@94.642,55.587 ; U7.5@99.843,55.587 101.483,55.587 C15.2@101.486,55.59 v2(101.486,54.689) ; v2(105.4,63.25) 107.14,63.25 U14.1@107.15,63.24 ; v2(106.2,57.2) U18.4@107.5,57.2 ; C26.2@107.15,61.45 U14.1@107.15,63.24 ; U14.1@107.16,63.25 U14.1@107.15,63.24
  Top Layer w0.65: v2(1.75,54.9) D10.2@1.75,56.15 D10.2@1.75,56.35
  other v2: 86.95,40.65 87.95,40.65 88.95,40.65 86.95,41.75 87.95,41.75 88.95,41.75 86.95,42.85 87.95,42.85 88.95,42.85
24V_PRESENT: R46.1 U8.11 U18.3 | length 63
  Top Layer w0.25: U8.11@57.3,32.54 58.56,33.8 63.45,33.8 71.6,41.95 74.85,41.95 82.15,49.25 99.95,49.25 104.2,53.5 104.2,56.9 105.8,58.5 107.47,58.5 U18.3@107.5,58.47
+5VA: C3.1 C4.2 C11.1 C12.2 C13.2 C37.1 C40.1 L3.1 U2.12 U2.13 U5.12 U5.13 U6.8 U16.4 | length 84
  Top Layer w0.4: C4.2@90.942,73.562 C3.1@90.942,75.312 v2(90.942,76.512) 90.967,76.487 U2.13@92.792,76.487 U2.12@92.792,77.137 ; v2(100.492,80.237) C13.2@101.492,80.237 101.518,80.262 U6.8@101.518,81.931 ; C12.2@105.692,74.487 C11.1@105.692,76.286 v2(106.792,76.286) 106.818,76.261 U5.13@108.592,76.261 U5.12@108.592,76.911
  Bottom Layer w1: v2(90.942,76.512) 94.667,80.237 v2(100.492,80.237) 102.737,77.992 105.087,77.992 v2(106.792,76.286) 111.264,76.286 113.6,73.95 113.6,55.65 109.95,52 109.95,39.8 112.15,37.6 v2(115.2,37.6) v2(116.1,37.6) v2(117,37.6)
+5VD: C32.1 C35.1 C41.1 D4.1 L2.2 P7.1 R12.2 R37.1 R40.2 R41.1 U8.51 U8.52 U15.1 U17.3 | length 10.3
  Top Layer w0.25: R12.2@64.85,39 v1(65.75,39) ; v2(95.2,5.75) R40.2@96.1,5.75
  Top Layer w0.254: C35.1@67,29.4 R37.1@68.6,29.4 69.4,29.4 v1(70.05,28.75) 71.3,28.75 71.667,29.117 U15.1@71.667,29.528 ; v1(88.7,15) R41.1@88.7,15.9
  Top Layer w0.5: 78.75,37.65 D4.1@78.75,39.75
  other v2: 83.95,30.45 83.95,31.45 83.95,32.45 83.95,33.45 83.95,34.45 83.95,35.45 80.95,36.45 82.45,36.45 83.95,36.45 80.95,37.45 82.45,37.45 83.95,37.45